# KiCad board meepolab pcb.kicad_pcb
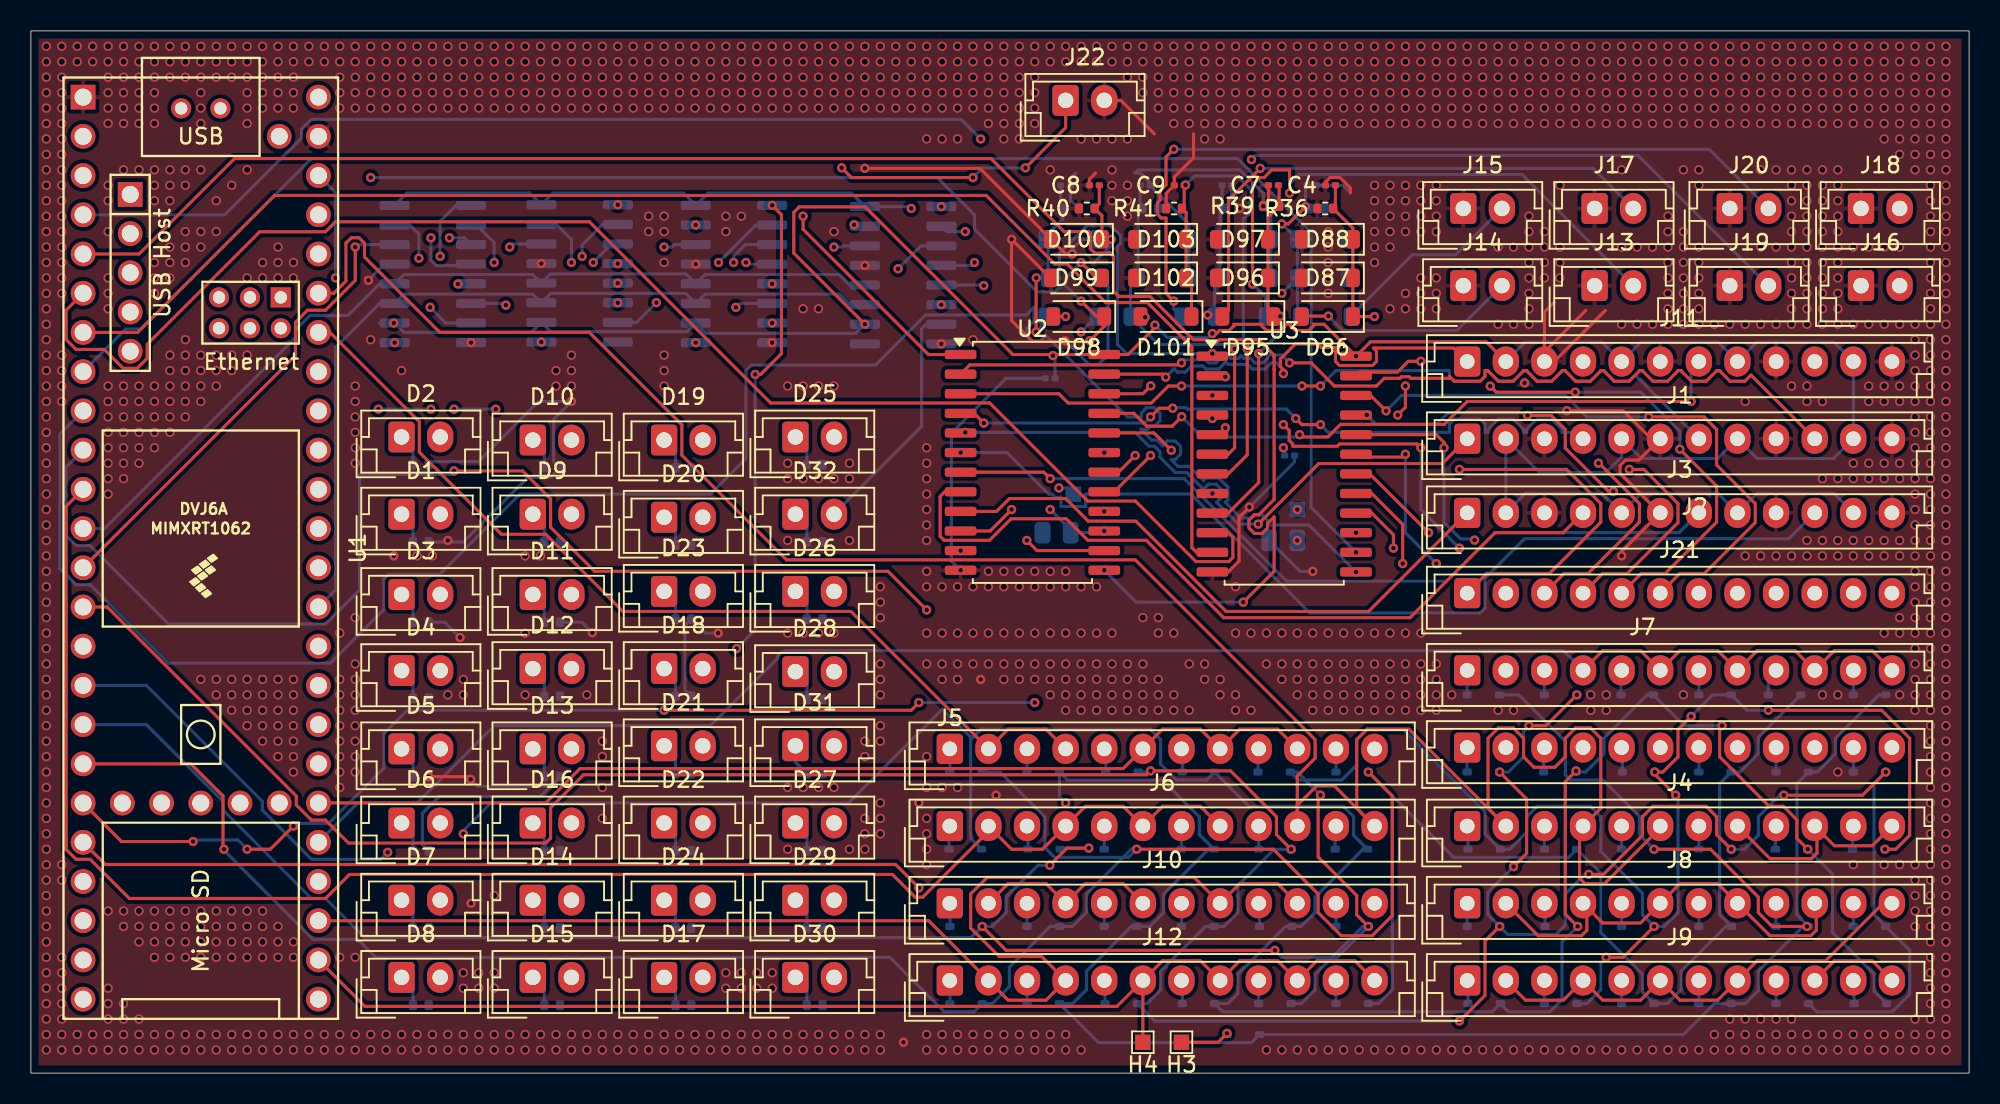
[diagram p0: board, top side]
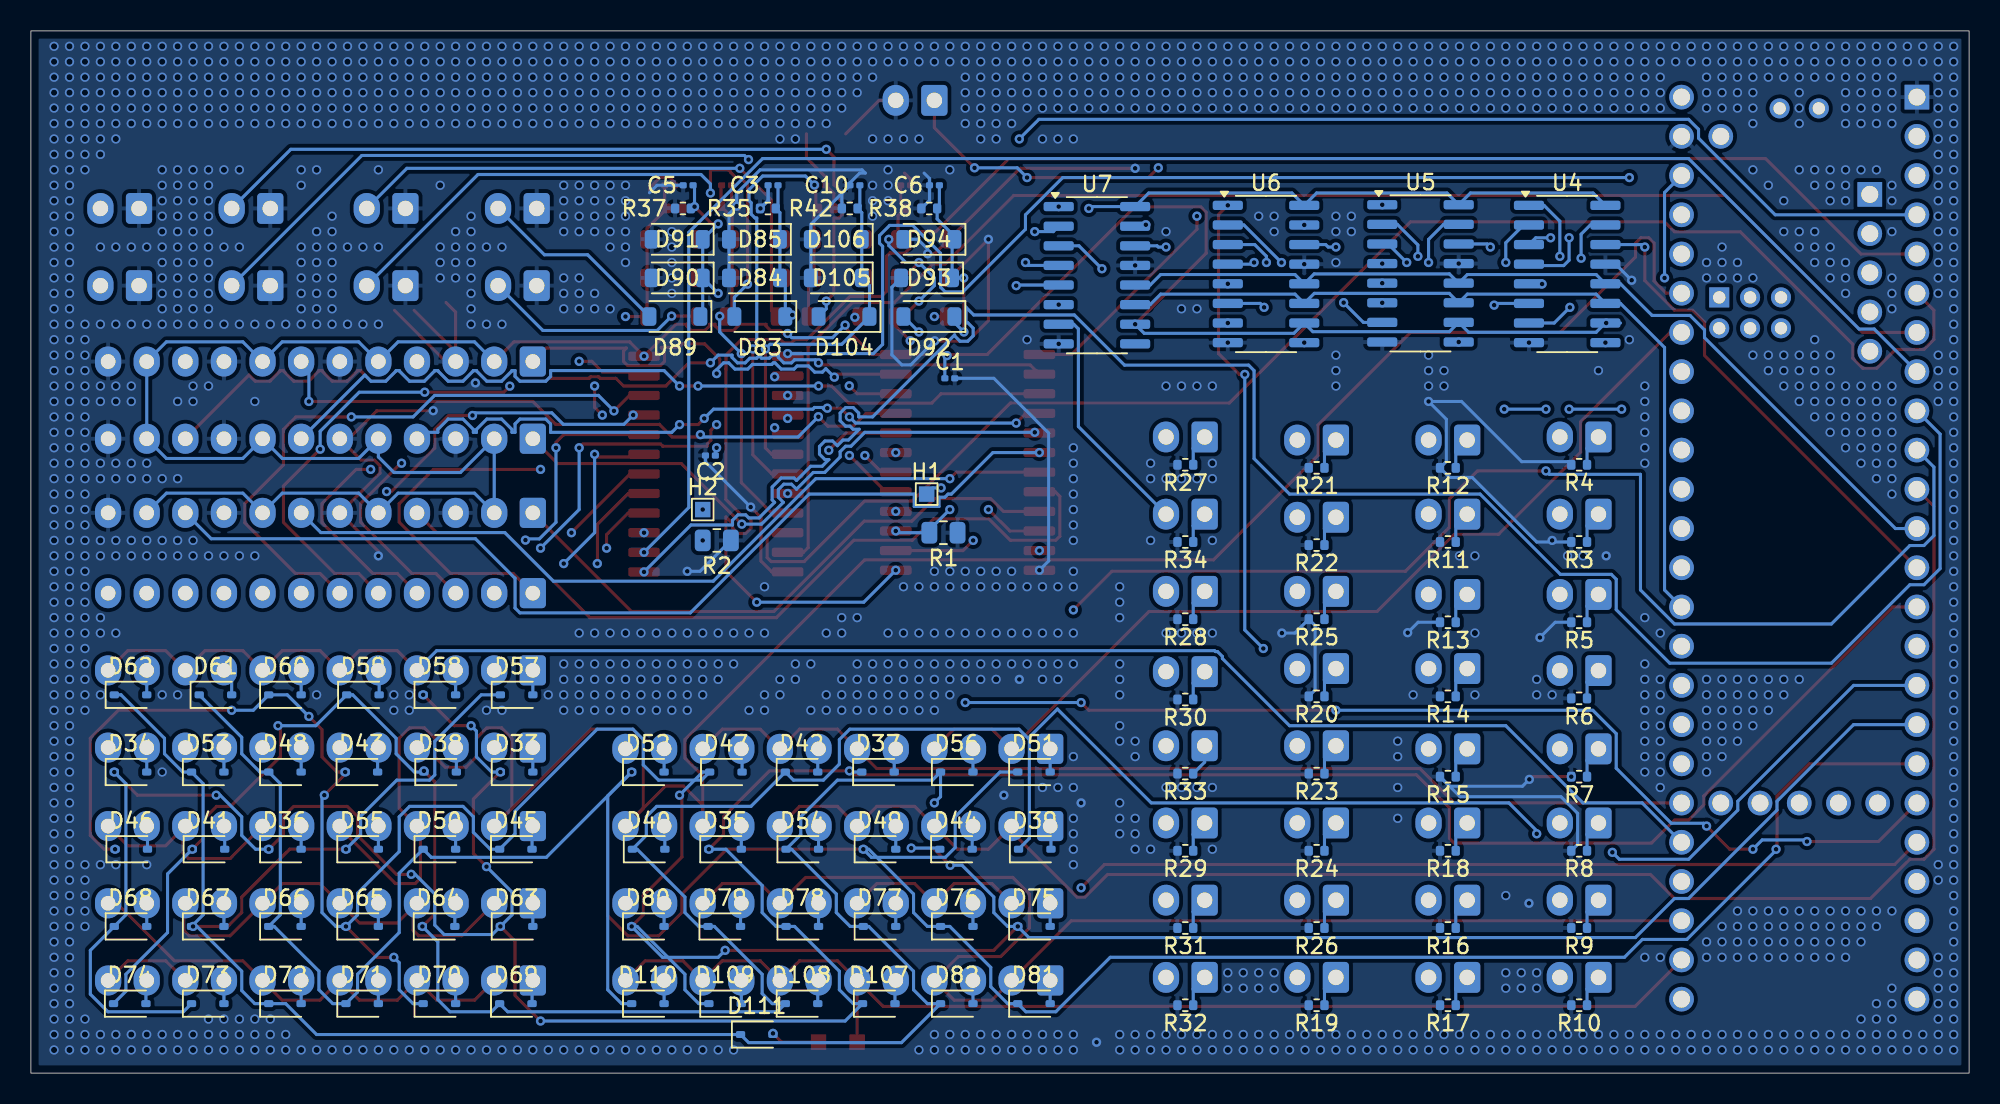
[diagram p1: board, bottom side, seen from below]

Outline 125.5 x 67.5 mm; copper layers: Top, In1.Cu, In2.Cu, Bottom. Coordinates in mm from the lower left corner of the outline.
Outline path: rectangle 0,67.5 125.5,0
Stack: Top 0.035mm / dielectric 0.1mm FR4 er 4.5 / In1.Cu 0.035mm / dielectric 1.24mm FR4 er 4.5 / In2.Cu 0.035mm / dielectric 0.1mm FR4 er 4.5 / Bottom 0.035mm

## Placement (name value [footprint] x y rotation side)
C1  0.1uf  [C_0201_0603Metric]  66 45 180 bottom
C2  0.1uf  [C_0201_0603Metric]  81.5 40 0 bottom
C3  4.7nF  [C_0201_0603Metric]  77.44 57.5 0 bottom
C4  4.7nF  [C_0201_0603Metric]  84.15 57.5 180 top
C5  4.7nF  [C_0201_0603Metric]  82.94 57.5 0 bottom
C6  4.7nF  [C_0201_0603Metric]  67 57.5 0 bottom
C7  4.7nF  [C_0201_0603Metric]  80.46 57.5 180 top
C8  4.7nF  [C_0201_0603Metric]  68.86 57.5 180 top
C9  4.7nF  [C_0201_0603Metric]  74.35 57.5 180 top
C10  4.7nF  [C_0201_0603Metric]  72.15 57.5 0 bottom
D1  LED  [JST_EH_B2B-EH-A_1x02_P2.50mm_Vertical]  24 36.2 0 top
D2  LED  [JST_EH_B2B-EH-A_1x02_P2.50mm_Vertical]  24 41.2 0 top
D3  LED  [JST_EH_B2B-EH-A_1x02_P2.50mm_Vertical]  24 31 0 top
D4  LED  [JST_EH_B2B-EH-A_1x02_P2.50mm_Vertical]  24 26.07 0 top
D5  LED  [JST_EH_B2B-EH-A_1x02_P2.50mm_Vertical]  24 21 0 top
D6  LED  [JST_EH_B2B-EH-A_1x02_P2.50mm_Vertical]  24 16.2 0 top
D7  LED  [JST_EH_B2B-EH-A_1x02_P2.50mm_Vertical]  24 11.2 0 top
D8  LED  [JST_EH_B2B-EH-A_1x02_P2.50mm_Vertical]  24 6.2 0 top
D9  LED  [JST_EH_B2B-EH-A_1x02_P2.50mm_Vertical]  32.5 36.2 0 top
D10  LED  [JST_EH_B2B-EH-A_1x02_P2.50mm_Vertical]  32.5 41 0 top
D11  LED  [JST_EH_B2B-EH-A_1x02_P2.50mm_Vertical]  32.5 31 0 top
D12  LED  [JST_EH_B2B-EH-A_1x02_P2.50mm_Vertical]  32.5 26.2 0 top
D13  LED  [JST_EH_B2B-EH-A_1x02_P2.50mm_Vertical]  32.5 21 0 top
D14  LED  [JST_EH_B2B-EH-A_1x02_P2.50mm_Vertical]  32.5 11.2 0 top
D15  LED  [JST_EH_B2B-EH-A_1x02_P2.50mm_Vertical]  32.5 6.2 0 top
D16  LED  [JST_EH_B2B-EH-A_1x02_P2.50mm_Vertical]  32.5 16.2 0 top
D17  LED  [JST_EH_B2B-EH-A_1x02_P2.50mm_Vertical]  41 6.2 0 top
D18  LED  [JST_EH_B2B-EH-A_1x02_P2.50mm_Vertical]  41 26.2 0 top
D19  LED  [JST_EH_B2B-EH-A_1x02_P2.50mm_Vertical]  41 41 0 top
D20  LED  [JST_EH_B2B-EH-A_1x02_P2.50mm_Vertical]  41 36 0 top
D21  LED  [JST_EH_B2B-EH-A_1x02_P2.50mm_Vertical]  41 21.2 0 top
D22  LED  [JST_EH_B2B-EH-A_1x02_P2.50mm_Vertical]  41 16.2 0 top
D23  LED  [JST_EH_B2B-EH-A_1x02_P2.50mm_Vertical]  41 31.2 0 top
D24  LED  [JST_EH_B2B-EH-A_1x02_P2.50mm_Vertical]  41 11.2 0 top
D25  LED  [JST_EH_B2B-EH-A_1x02_P2.50mm_Vertical]  49.5 41.2 0 top
D26  LED  [JST_EH_B2B-EH-A_1x02_P2.50mm_Vertical]  49.5 31.2 0 top
D27  LED  [JST_EH_B2B-EH-A_1x02_P2.50mm_Vertical]  49.5 16.2 0 top
D28  LED  [JST_EH_B2B-EH-A_1x02_P2.50mm_Vertical]  49.5 26 0 top
D29  LED  [JST_EH_B2B-EH-A_1x02_P2.50mm_Vertical]  49.5 11.2 0 top
D30  LED  [JST_EH_B2B-EH-A_1x02_P2.50mm_Vertical]  49.5 6.2 0 top
D31  LED  [JST_EH_B2B-EH-A_1x02_P2.50mm_Vertical]  49.5 21.2 0 top
D32  LED  [JST_EH_B2B-EH-A_1x02_P2.50mm_Vertical]  49.5 36.2 0 top
D33  D  [D_SOD-323]  94.05 19.5 180 bottom
D34  D  [D_SOD-323]  119.05 19.5 180 bottom
D35  D  [D_SOD-323]  80.55 14.5 180 bottom
D36  D  [D_SOD-323]  109.05 14.5 180 bottom
D37  D  [D_SOD-323]  70.65 19.5 180 bottom
D38  D  [D_SOD-323]  99 19.5 180 bottom
D39  D  [D_SOD-323]  60.5 14.5 180 bottom
D40  D  [D_SOD-323]  85.5 14.5 180 bottom
D41  D  [D_SOD-323]  114 14.5 180 bottom
D42  D  [D_SOD-323]  75.6 19.5 180 bottom
D43  D  [D_SOD-323]  104.1 19.5 180 bottom
D44  D  [D_SOD-323]  65.6 14.5 180 bottom
D45  D  [D_SOD-323]  94.1 14.5 180 bottom
D46  D  [D_SOD-323]  119 14.5 180 bottom
D47  D  [D_SOD-323]  80.5 19.5 180 bottom
D48  D  [D_SOD-323]  109.05 19.5 180 bottom
D49  D  [D_SOD-323]  70.55 14.5 180 bottom
D50  D  [D_SOD-323]  99.05 14.5 180 bottom
D51  D  [D_SOD-323]  60.55 19.5 180 bottom
D52  D  [D_SOD-323]  85.55 19.5 180 bottom
D53  D  [D_SOD-323]  114.05 19.5 180 bottom
D54  D  [D_SOD-323]  75.55 14.5 180 bottom
D55  D  [D_SOD-323]  104.05 14.5 180 bottom
D56  D  [D_SOD-323]  65.55 19.5 180 bottom
D57  D  [D_SOD-323]  94.05 24.5 180 bottom
D58  D  [D_SOD-323]  99.05 24.5 180 bottom
D59  D  [D_SOD-323]  104 24.5 180 bottom
D60  D  [D_SOD-323]  109.05 24.5 180 bottom
D61  D  [D_SOD-323]  113.55 24.5 180 bottom
D62  D  [D_SOD-323]  119.05 24.5 180 bottom
D63  D  [D_SOD-323]  94.05 9.5 180 bottom
D64  D  [D_SOD-323]  99.1 9.5 180 bottom
D65  D  [D_SOD-323]  104.05 9.5 180 bottom
D66  D  [D_SOD-323]  109.05 9.5 180 bottom
D67  D  [D_SOD-323]  114.05 9.5 180 bottom
D68  D  [D_SOD-323]  119.05 9.5 180 bottom
D69  D  [D_SOD-323]  94.1 4.5 180 bottom
D70  D  [D_SOD-323]  99.05 4.5 180 bottom
D71  D  [D_SOD-323]  104.05 4.5 180 bottom
D72  D  [D_SOD-323]  109.05 4.5 180 bottom
D73  D  [D_SOD-323]  114.05 4.5 180 bottom
D74  D  [D_SOD-323]  119.1 4.5 180 bottom
D75  D  [D_SOD-323]  60.55 9.5 180 bottom
D76  D  [D_SOD-323]  65.55 9.5 180 bottom
D77  D  [D_SOD-323]  70.55 9.5 180 bottom
D78  D  [D_SOD-323]  75.55 9.5 180 bottom
D79  D  [D_SOD-323]  80.6 9.5 180 bottom
D80  D  [D_SOD-323]  85.55 9.5 180 bottom
D81  D  [D_SOD-323]  60.55 4.5 180 bottom
D82  D  [D_SOD-323]  65.55 4.5 180 bottom
D83  D  [D_SOD-123]  78.3 49 0 bottom
D84  D  [D_SOD-123]  78.65 51.5 0 bottom
D85  BZV55B3V3  [D_SOD-123]  78.65 54 0 bottom
D86  D  [D_SOD-123]  83.95 49 180 top
D87  D  [D_SOD-123]  83.95 51.5 180 top
D88  BZV55B3V3  [D_SOD-123]  83.95 54 180 top
D89  D  [D_SOD-123]  83.8 49 0 bottom
D90  D  [D_SOD-123]  83.65 51.5 0 bottom
D91  BZV55B3V3  [D_SOD-123]  83.65 54 0 bottom
D92  D  [D_SOD-123]  67.35 49 0 bottom
D93  D  [D_SOD-123]  67.5 51.5 0 bottom
D94  BZV55B3V3  [D_SOD-123]  67.35 54 0 bottom
D95  D  [D_SOD-123]  78.8 49 180 top
D96  D  [D_SOD-123]  78.45 51.5 180 top
D97  BZV55B3V3  [D_SOD-123]  78.45 54 180 top
D98  D  [D_SOD-123]  67.85 49 180 top
D99  D  [D_SOD-123]  67.7 51.5 180 top
D100  BZV55B3V3  [D_SOD-123]  67.7 54 180 top
D101  D  [D_SOD-123]  73.5 49 180 top
D102  D  [D_SOD-123]  73.15 51.5 180 top
D103  BZV55B3V3  [D_SOD-123]  73.15 54 180 top
D104  D  [D_SOD-123]  72.85 49 0 bottom
D105  D  [D_SOD-123]  73.35 51.5 0 bottom
D106  BZV55B3V3  [D_SOD-123]  73.35 54 0 bottom
D107  D  [D_SOD-323]  70.6 4.5 180 bottom
D108  D  [D_SOD-323]  75.6 4.5 180 bottom
D109  D  [D_SOD-323]  80.55 4.5 180 bottom
D110  D  [D_SOD-323]  85.55 4.5 180 bottom
D111  D  [D_SOD-323]  78.5 2.5 180 bottom
H1  MountingHole_Pad  [TestPoint_Pad_1.0x1.0mm]  67.5 37.5 180 bottom
H2  MountingHole_Pad  [TestPoint_Pad_1.0x1.0mm]  82 36.5 180 bottom
H3  MountingHole_Pad  [TestPoint_Pad_1.0x1.0mm]  74.5 2 180 top
H4  MountingHole_Pad  [TestPoint_Pad_1.0x1.0mm]  72 2 180 top
J1  Conn_01x12_Socket  [JST_EH_B12B-EH-A_1x12_P2.50mm_Vertical]  93 41.09 0 top
J2  Conn_01x12_Socket  [JST_EH_B12B-EH-A_1x12_P2.50mm_Vertical]  93 21.08 0 top
J3  Conn_01x12_Socket  [JST_EH_B12B-EH-A_1x12_P2.50mm_Vertical]  93 36.28 0 top
J4  Conn_01x12_Socket  [JST_EH_B12B-EH-A_1x12_P2.50mm_Vertical]  93 16 0 top
J5  Conn_01x12_Socket  [JST_EH_B12B-EH-A_1x12_P2.50mm_Vertical]  59.5 21 0 top
J6  Conn_01x12_Socket  [JST_EH_B12B-EH-A_1x12_P2.50mm_Vertical]  59.5 16 0 top
J7  Conn_01x12_Socket  [JST_EH_B12B-EH-A_1x12_P2.50mm_Vertical]  93 26.08 0 top
J8  Conn_01x12_Socket  [JST_EH_B12B-EH-A_1x12_P2.50mm_Vertical]  93 11 0 top
J9  Conn_01x12_Socket  [JST_EH_B12B-EH-A_1x12_P2.50mm_Vertical]  93 6 0 top
J10  Conn_01x12_Socket  [JST_EH_B12B-EH-A_1x12_P2.50mm_Vertical]  59.5 11 0 top
J11  Conn_01x12_Socket  [JST_EH_B12B-EH-A_1x12_P2.50mm_Vertical]  93 46.09 0 top
J12  Conn_01x12_Socket  [JST_EH_B12B-EH-A_1x12_P2.50mm_Vertical]  59.5 6 0 top
J13  Piezo socket  [JST_EH_B2B-EH-A_1x02_P2.50mm_Vertical]  101.25 51 0 top
J14  Piezo socket  [JST_EH_B2B-EH-A_1x02_P2.50mm_Vertical]  92.75 51 0 top
J15  Piezo socket  [JST_EH_B2B-EH-A_1x02_P2.50mm_Vertical]  92.75 56 0 top
J16  Piezo socket  [JST_EH_B2B-EH-A_1x02_P2.50mm_Vertical]  118.5 51 0 top
J17  Piezo socket  [JST_EH_B2B-EH-A_1x02_P2.50mm_Vertical]  101.25 56 0 top
J18  Piezo socket  [JST_EH_B2B-EH-A_1x02_P2.50mm_Vertical]  118.5 56 0 top
J19  Piezo socket  [JST_EH_B2B-EH-A_1x02_P2.50mm_Vertical]  110 51 0 top
J20  Piezo socket  [JST_EH_B2B-EH-A_1x02_P2.50mm_Vertical]  110 56 0 top
J21  Conn_01x12_Socket  [JST_EH_B12B-EH-A_1x12_P2.50mm_Vertical]  93 31.08 0 top
J22  Conn_01x02_Socket  [JST_EH_B2B-EH-A_1x02_P2.50mm_Vertical]  67 63 0 top
R1  10K  [R_0805_2012Metric]  66.41 35 0 bottom
R2  10K  [R_0805_2012Metric]  81.09 34.5 0 bottom
R3  R  [R_0402_1005Metric]  25.25 34.4 0 bottom
R4  R  [R_0402_1005Metric]  25.25 39.4 0 bottom
R5  R  [R_0402_1005Metric]  25.25 29.2 0 bottom
R6  R  [R_0402_1005Metric]  25.25 24.27 0 bottom
R7  R  [R_0402_1005Metric]  25.25 19.2 0 bottom
R8  R  [R_0402_1005Metric]  25.25 14.4 0 bottom
R9  R  [R_0402_1005Metric]  25.25 9.4 0 bottom
R10  R  [R_0402_1005Metric]  25.25 4.4 0 bottom
R11  R  [R_0402_1005Metric]  33.75 34.4 0 bottom
R12  R  [R_0402_1005Metric]  33.75 39.2 0 bottom
R13  R  [R_0402_1005Metric]  33.75 29.2 0 bottom
R14  R  [R_0402_1005Metric]  33.75 24.4 0 bottom
R15  R  [R_0402_1005Metric]  33.75 19.2 0 bottom
R16  R  [R_0402_1005Metric]  33.75 9.4 0 bottom
R17  R  [R_0402_1005Metric]  33.75 4.4 0 bottom
R18  R  [R_0402_1005Metric]  33.75 14.4 0 bottom
R19  R  [R_0402_1005Metric]  42.25 4.4 0 bottom
R20  R  [R_0402_1005Metric]  42.25 24.4 0 bottom
R21  R  [R_0402_1005Metric]  42.25 39.2 0 bottom
R22  R  [R_0402_1005Metric]  42.25 34.2 0 bottom
R23  R  [R_0402_1005Metric]  42.25 19.4 0 bottom
R24  R  [R_0402_1005Metric]  42.25 14.4 0 bottom
R25  R  [R_0402_1005Metric]  42.25 29.4 0 bottom
R26  R  [R_0402_1005Metric]  42.25 9.4 0 bottom
R27  R  [R_0402_1005Metric]  50.75 39.4 0 bottom
R28  R  [R_0402_1005Metric]  50.75 29.4 0 bottom
R29  R  [R_0402_1005Metric]  50.75 14.4 0 bottom
R30  R  [R_0402_1005Metric]  50.75 24.2 0 bottom
R31  R  [R_0402_1005Metric]  50.75 9.4 0 bottom
R32  R  [R_0402_1005Metric]  50.75 4.4 0 bottom
R33  R  [R_0402_1005Metric]  50.75 19.4 0 bottom
R34  R  [R_0402_1005Metric]  50.75 34.4 0 bottom
R35  1M  [R_0402_1005Metric]  77.78 56 0 bottom
R36  1M  [R_0402_1005Metric]  83.81 56 180 top
R37  1M  [R_0402_1005Metric]  83.28 56 0 bottom
R38  1M  [R_0402_1005Metric]  67.33 56 0 bottom
R39  1M  [R_0402_1005Metric]  80.31 56.15 180 top
R40  1M  [R_0402_1005Metric]  68.37 56 180 top
R41  1M  [R_0402_1005Metric]  74.02 56 180 top
R42  1M  [R_0402_1005Metric]  72.48 56 0 bottom
U1  Teensy4.1  [Teensy41]  11 34 270 top
U2  CD74HC4067M  [SOIC-24W_7.5x15.4mm_P1.27mm]  64.85 39.55 0 top
U3  CD74HC4067M  [SOIC-24W_7.5x15.4mm_P1.27mm]  81.15 39.45 0 top
U4  74HC595  [SOIC-16_3.9x9.9mm_P1.27mm]  26.03 51.76 180 bottom
U5  74HC595  [SOIC-16_3.9x9.9mm_P1.27mm]  35.53 51.8 180 bottom
U6  74HC595  [SOIC-16_3.9x9.9mm_P1.27mm]  45.53 51.76 180 bottom
U7  74HC595  [SOIC-16_3.9x9.9mm_P1.27mm]  56.47 51.67 180 bottom

## Library data of the parts
C1-C10 = -: Description: Unpolarized capacitor; ki_fp_filters: C_*
D1-D32 = -: Description: Light emitting diode; Sim.Pins: 1=K 2=A; ki_fp_filters: LED* LED_SMD:* LED_THT:*
D33-D84 D86 D87 D89 D90 D92 D93 D95 D96 D98 D99 D101 D102 D104 D105 D107-D111 = -: Description: Diode; Sim.Pins: 1=K 2=A; ki_fp_filters: TO-???* *_Diode_* *SingleDiode* D_*
D85 D88 D91 D94 D97 D100 D103 D106 = -: Datasheet: https://assets.nexperia.com/documents/data-sheet/BZV55_SER.pdf; Description: 3.3V, 500mW, 2%, Zener diode, MiniMELF; ki_fp_filters: D*MiniMELF*
H1-H4 = -: Description: Mounting Hole with connection; ki_fp_filters: MountingHole*Pad*
J1-J12 J21 = -: Description: Generic connector, single row, 01x12, script generated; ki_fp_filters: Connector*:*_1x??_*
J13-J20 J22 = -: Description: Generic connector, single row, 01x02, script generated; ki_fp_filters: Connector*:*_1x??_*
R1-R42 = -: Description: Resistor; ki_fp_filters: R_*
U2 U3 = -: Datasheet: http://www.ti.com/lit/ds/symlink/cd74hc4067.pdf; Description: High-Speed CMOS Logic 16-Channel Analog Multiplexer/Demultiplexer, SOIC-24; ki_fp_filters: SOIC*W*7.5x15.4mm*P1.27mm*
U4-U7 = -: Datasheet: http://www.ti.com/lit/ds/symlink/sn74hc595.pdf; Description: 8-bit serial in/out Shift Register 3-State Outputs; ki_fp_filters: DIP*W7.62mm* SOIC*3.9x9.9mm*P1.27mm* TSSOP*4.4x5mm*P0.65mm* SOIC*5.3x10.2mm*P1.27mm* SOIC*7.5x10.3mm*P1.27mm*

## Footprints (pads in the part's own frame, mm; a bottom-side part is the same pattern mirrored in y, then rotated)
C_0201_0603Metric
  rrect 0.318x0.36 smd: (-0.345,0) (0.345,0)
  rrect 0.46x0.4 smd: 1(-0.32,0) 2(0.32,0)
D_SOD-123
  rrect 0.9x1.2 smd: 1(-1.65,0) 2(1.65,0)
D_SOD-323
  rrect 0.6x0.45 smd: 1(-1.05,0) 2(1.05,0)
JST_EH_B2B-EH-A_1x02_P2.50mm_Vertical
  rrect 1.7x2 hole 1: 1(0,0)
  oval 1.7x2 hole 1: 2(2.5,0)
JST_EH_B12B-EH-A_1x12_P2.50mm_Vertical
  rrect 1.7x1.95 hole 0.95: 1(0,0)
  oval 1.7x1.95 hole 0.95: 2(2.5,0) 3(5,0) 4(7.5,0) 5(10,0) 6(12.5,0) 7(15,0) 8(17.5,0) 9(20,0) 10(22.5,0) 11(25,0) 12(27.5,0)
R_0402_1005Metric
  rrect 0.54x0.64 smd: 1(-0.51,0) 2(0.51,0)
R_0805_2012Metric
  rrect 1.025x1.4 smd: 1(-0.912,0) 2(0.912,0)
SOIC-16_3.9x9.9mm_P1.27mm
  rrect 1.95x0.6 smd: 1(-2.475,4.445) 2(-2.475,3.175) 3(-2.475,1.905) 4(-2.475,0.635) 5(-2.475,-0.635) 6(-2.475,-1.905) 7(-2.475,-3.175) 8(-2.475,-4.445) 9(2.475,-4.445) 10(2.475,-3.175) 11(2.475,-1.905) 12(2.475,-0.635) 13(2.475,0.635) 14(2.475,1.905) 15(2.475,3.175) 16(2.475,4.445)
SOIC-24W_7.5x15.4mm_P1.27mm
  rrect 2.05x0.6 smd: 1(-4.65,6.985) 2(-4.65,5.715) 3(-4.65,4.445) 4(-4.65,3.175) 5(-4.65,1.905) 6(-4.65,0.635) 7(-4.65,-0.635) 8(-4.65,-1.905) 9(-4.65,-3.175) 10(-4.65,-4.445) 11(-4.65,-5.715) 12(-4.65,-6.985) 13(4.65,-6.985) 14(4.65,-5.715) 15(4.65,-4.445) 16(4.65,-3.175) 17(4.65,-1.905) 18(4.65,-0.635) 19(4.65,0.635) 20(4.65,1.905) 21(4.65,3.175) 22(4.65,4.445) 23(4.65,5.715) 24(4.65,6.985)
Teensy41
  rect 1.6x1.6 hole 1.1: 1(-29.21,-7.62) 55(-22.911,-4.569)
  round 1.6 hole 1.1: 2(-26.67,-7.62) 3(-24.13,-7.62) 4(-21.59,-7.62) 5(-19.05,-7.62) 6(-16.51,-7.62) 7(-13.97,-7.62) 8(-11.43,-7.62) 9(-8.89,-7.62) 10(-6.35,-7.62) 11(-3.81,-7.62) 12(-1.27,-7.62) 13(1.27,-7.62) 14(3.81,-7.62) 15(6.35,-7.62) 16(8.89,-7.62) 17(11.43,-7.62) 18(13.97,-7.62) 19(16.51,-7.62) 20(19.05,-7.62) 21(21.59,-7.62) 22(24.13,-7.62) 23(26.67,-7.62) 24(29.21,-7.62) 25(29.21,7.62) 26(26.67,7.62) 27(24.13,7.62) 28(21.59,7.62) 29(19.05,7.62) 30(16.51,7.62) 31(13.97,7.62) 32(11.43,7.62) 33(8.89,7.62) 34(6.35,7.62) 35(3.81,7.62) 36(1.27,7.62) 37(-1.27,7.62) 38(-3.81,7.62) 39(-6.35,7.62) 40(-8.89,7.62) 41(-11.43,7.62) 42(-13.97,7.62) 43(-16.51,7.62) 44(-19.05,7.62) 45(-21.59,7.62) 46(-24.13,7.62) 47(-26.67,7.62) 48(-29.21,7.62) 49(-26.67,5.08) 50(16.51,-5.08) 51(16.51,-2.54) 52(16.51,0) 53(16.51,2.54) 54(16.51,5.08) 56(-20.371,-4.569) 57(-17.831,-4.569) 58(-15.291,-4.569) 59(-12.751,-4.569)
  rect 1.3x1.3 hole 0.8: 60(-16.24,5.182)
  round 1.3 hole 0.8: 61(-16.24,3.182) 62(-16.24,1.182) 63(-14.24,1.182) 64(-14.24,3.182) 65(-14.24,5.182) 66(-28.48,1.27) 67(-28.48,-1.27)
TestPoint_Pad_1.0x1.0mm
  rect 1x1 smd: 1(0,0)

## Nets
+3V3: C1.1 C2.1 J1.2 J1.5 J1.8 J1.11 J3.2 J3.5 J3.8 J3.11 J11.2 J11.5 J11.8 J11.11 U1.46 U2.24 U3.24 U4.10 U5.10 U6.10 U7.10
GND: C1.2 C2.2 C3.2 C4.2 C5.2 C6.2 C7.2 C8.2 C9.2 C10.2 D84.2 D85.2 D87.2 D88.2 D90.2 D91.2 D93.2 D94.2 D96.2 D97.2 D99.2 D100.2 D102.2 D103.2 D105.2 D106.2 J1.3 J1.6 J1.9 J1.12 J3.3 J3.6 J3.9 J3.12 J11.3 J11.6 J11.9 J11.12 J13.1 J14.1 J15.1 J16.1 J17.1 J18.1 J19.1 J20.1 J22.2 R1.1 R2.1 R3.2 R4.2 R5.2 R6.2 R7.2 R8.2 R9.2 R10.2 R11.2 R12.2 R13.2 R14.2 R15.2 R16.2 R17.2 R18.2 R19.2 R20.2 R21.2 R22.2 R23.2 R24.2 R25.2 R26.2 R27.2 R28.2 R29.2 R30.2 R31.2 R32.2 R33.2 R34.2 R35.2 R36.2 R37.2 R38.2 R39.2 R40.2 R41.2 R42.2 U1.1 U1.47 U2.12 U3.12 U4.8 U4.13 U5.8 U5.13 U6.8 U6.13 U7.8 U7.13
A8: U1.44 U3.1
A9: U1.45 U2.1
Col0: J2.2 J2.4 J2.6 J2.8 J2.10 U1.10
Col1: J2.12 J6.2 J6.4 J6.6 J6.8 U1.11
Col2: J4.2 J4.4 J4.6 J6.10 J6.12 U1.43
Col3: J4.8 J4.10 J4.12 J5.2 J5.4 U1.42
Col4: J5.6 J5.8 J5.10 J5.12 J7.2 U1.30
Col5: J7.4 J7.6 J7.8 J7.10 J7.12 U1.29
Col6: J8.2 J8.4 J8.6 J8.8 J8.10 U1.20
Col7: J8.12 J9.2 J9.4 J9.6 J9.8 U1.21
Col8: J9.10 J9.12 J10.2 J10.4 J10.6 U1.22
Col9: J10.8 J10.10 J10.12 J12.2 J12.4 U1.27
Col10: H4.1 J12.6 J12.8 J12.10 J12.12 U1.26
Drum0: C3.1 D83.1 D84.1 D85.1 R35.1 U2.19
Drum1: C4.1 D86.1 D87.1 D88.1 R36.1 U2.18
Drum2: C5.1 D89.1 D90.1 D91.1 R37.1 U2.17
Drum3: C6.1 D92.1 D93.1 D94.1 R38.1 U2.16
Drum4: C7.1 D95.1 D96.1 D97.1 R39.1 U3.9
Drum5: C8.1 D98.1 D99.1 D100.1 R40.1 U3.8
Drum6: C9.1 D101.1 D102.1 D103.1 R41.1 U3.7
Drum7: C10.1 D104.1 D105.1 D106.1 R42.1 U3.6
External 3v3: J22.1 U4.16 U5.16 U6.16 U7.16
KeyBot1Gnd: D58.2 J7.3
KeyBot2Gnd: D59.2 J7.5
KeyBot3Gnd: D60.2 J7.7
KeyBot4Gnd: D61.2 J7.9
KeyBot5Gnd: D62.2 J7.11
KeyBot6Gnd: D63.2 J8.1
KeyBot7Gnd: D64.2 J8.3
KeyBot8Gnd: D65.2 J8.5
KeyBot9Gnd: D66.2 J8.7
KeyBot10Gnd: D67.2 J8.9
KeyBot11Gnd: D68.2 J8.11
KeyBot12Gnd: D69.2 J9.1
KeyBot13Gnd: D70.2 J9.3
KeyBot14Gnd: D71.2 J9.5
KeyBot15Gnd: D72.2 J9.7
KeyBot16Gnd: D73.2 J9.9
KeyBot17Gnd: D74.2 J9.11
KeyBot18Gnd: D75.2 J10.1
KeyBot19Gnd: D76.2 J10.3
KeyBot20Gnd: D77.2 J10.5
KeyBot21Gnd: D78.2 J10.7
KeyBot22Gnd: D79.2 J10.9
KeyBot23Gnd: D80.2 J10.11
KeyBot24Gnd: D81.2 J12.1
KeyBot25Gnd: D82.2 J12.3
KeyTop1Gnd: D33.2 J2.1
KeyTop2Gnd: D38.2 J2.3
KeyTop3Gnd: D43.2 J2.5
KeyTop4Gnd: D48.2 J2.7
KeyTop5Gnd: D53.2 J2.9
KeyTop6Gnd: D34.2 J2.11
KeyTop7Gnd: D39.2 J6.1
KeyTop8Gnd: D44.2 J6.3
KeyTop9Gnd: D49.2 J6.5
KeyTop10Gnd: D54.2 J6.7
KeyTop11Gnd: D35.2 J6.9
KeyTop12Gnd: D40.2 J6.11
KeyTop13Gnd: D45.2 J4.1
KeyTop14Gnd: D50.2 J4.3
KeyTop15Gnd: D55.2 J4.5
KeyTop16Gnd: D36.2 J4.7
KeyTop17Gnd: D41.2 J4.9
KeyTop18Gnd: D46.2 J4.11
KeyTop19Gnd: D51.2 J5.1
KeyTop20Gnd: D56.2 J5.3
KeyTop21Gnd: D37.2 J5.5
KeyTop22Gnd: D42.2 J5.7
KeyTop23Gnd: D47.2 J5.9
KeyTop24Gnd: D52.2 J5.11
KeyTop25Gnd: D57.2 J7.1
OctDwnGnd: D109.2 J12.9
OctUpGnd: D108.2 J12.7
PlayPauseGnd: D111.2 H3.1
Pot0: J3.1 U2.9
Pot1: J3.4 U2.8
Pot2: J3.7 U2.7
Pot3: J3.10 U2.6
Pot4: J1.1 U2.5
Pot5: J1.4 U2.4
Pot6: J1.7 U2.3
Pot7: J1.10 U2.2
RCLK: U1.12 U4.12 U5.12 U6.12 U7.12
RecGnd: D110.2 J12.11
Row0: D33.1 D34.1 D35.1 D36.1 D37.1 D58.1 D63.1 D68.1 D73.1 D78.1 D107.1 U1.14
Row1: D38.1 D39.1 D40.1 D41.1 D42.1 D59.1 D64.1 D69.1 D74.1 D79.1 D108.1 U1.16
Row2: D43.1 D44.1 D45.1 D46.1 D47.1 D60.1 D65.1 D70.1 D75.1 D80.1 D109.1 U1.17
Row3: D48.1 D49.1 D50.1 D51.1 D52.1 D61.1 D66.1 D71.1 D76.1 D81.1 D110.1 U1.18
Row4: D53.1 D54.1 D55.1 D56.1 D57.1 D62.1 D67.1 D72.1 D77.1 D82.1 D111.1 U1.19
S0_1: U1.2 U2.10
S0_2: U1.6 U3.10
S1_1: U1.3 U2.11
S1_2: U1.7 U3.11
S2_1: U1.4 U2.14
S2_2: U1.8 U3.14
S3_1: U1.5 U2.13
S3_3: U1.9 U3.13
SER: U1.13 U4.14
ShiftGnd: D107.2 J12.5
Slider0: J11.1 U2.23
Slider1: J11.4 U2.22
Slider2: J11.7 U2.21
Slider3: J11.10 U2.20
SRCLK: U1.35 U4.11 U5.11 U6.11 U7.11
Net-(D1-A): D1.2 U4.15
Net-(D1-K): D1.1 R3.1
Net-(D2-A): D2.2 U4.1
Net-(D2-K): D2.1 R4.1
Net-(D3-A): D3.2 U4.2
Net-(D3-K): D3.1 R5.1
Net-(D4-A): D4.2 U4.3
Net-(D4-K): D4.1 R6.1
Net-(D5-A): D5.2 U4.4
Net-(D5-K): D5.1 R7.1
Net-(D6-A): D6.2 U4.5
Net-(D6-K): D6.1 R8.1
Net-(D7-A): D7.2 U4.6
Net-(D7-K): D7.1 R9.1
Net-(D8-A): D8.2 U4.7
Net-(D8-K): D8.1 R10.1
Net-(D9-A): D9.2 U5.15
Net-(D9-K): D9.1 R11.1
Net-(D10-A): D10.2 U5.1
Net-(D10-K): D10.1 R12.1
Net-(D11-A): D11.2 U5.2
Net-(D11-K): D11.1 R13.1
Net-(D12-A): D12.2 U5.3
Net-(D12-K): D12.1 R14.1
Net-(D13-A): D13.2 U5.4
Net-(D13-K): D13.1 R15.1
Net-(D14-A): D14.2 U5.5
Net-(D14-K): D14.1 R16.1
Net-(D15-A): D15.2 U5.6
Net-(D15-K): D15.1 R17.1
Net-(D16-A): D16.2 U5.7
Net-(D16-K): D16.1 R18.1
Net-(D17-A): D17.2 U6.15
Net-(D17-K): D17.1 R19.1
Net-(D18-A): D18.2 U6.1
Net-(D18-K): D18.1 R20.1
Net-(D19-A): D19.2 U6.2
Net-(D19-K): D19.1 R21.1
Net-(D20-A): D20.2 U6.3
Net-(D20-K): D20.1 R22.1
Net-(D21-A): D21.2 U6.4
Net-(D21-K): D21.1 R23.1
Net-(D22-A): D22.2 U6.5
Net-(D22-K): D22.1 R24.1
Net-(D23-A): D23.2 U6.6
Net-(D23-K): D23.1 R25.1
Net-(D24-A): D24.2 U6.7
Net-(D24-K): D24.1 R26.1
Net-(D25-A): D25.2 U7.15
Net-(D25-K): D25.1 R27.1
Net-(D26-A): D26.2 U7.1
Net-(D26-K): D26.1 R28.1
Net-(D27-A): D27.2 U7.2
Net-(D27-K): D27.1 R29.1
Net-(D28-A): D28.2 U7.3
Net-(D28-K): D28.1 R30.1
Net-(D29-A): D29.2 U7.4
Net-(D29-K): D29.1 R31.1
Net-(D30-A): D30.2 U7.5
Net-(D30-K): D30.1 R32.1
Net-(D31-A): D31.2 U7.6
Net-(D31-K): D31.1 R33.1
Net-(D32-A): D32.2 U7.7
Net-(D32-K): D32.1 R34.1
Net-(D83-A): D83.2 J13.2
Net-(D86-A): D86.2 J14.2
Net-(D89-A): D89.2 J15.2
Net-(D92-A): D92.2 J16.2
Net-(D95-A): D95.2 J17.2
Net-(D98-A): D98.2 J18.2
Net-(D101-A): D101.2 J19.2
Net-(D104-A): D104.2 J20.2
Net-(J21-Pin_1): J21.1 U3.5
Net-(J21-Pin_2): J21.2 U3.4
Net-(J21-Pin_3): J21.3 U3.3
Net-(J21-Pin_4): J21.4 U3.2
Net-(J21-Pin_5): J21.5 U3.23
Net-(J21-Pin_6): J21.6 U3.22
Net-(J21-Pin_7): J21.7 U3.21
Net-(J21-Pin_8): J21.8 U3.20
Net-(J21-Pin_9): J21.9 U3.19
Net-(J21-Pin_10): J21.10 U3.18
Net-(J21-Pin_11): J21.11 U3.17
Net-(J21-Pin_12): J21.12 U3.16
Net-(U2-~{E}): H1.1 R1.2 U2.15
Net-(U3-~{E}): H2.1 R2.2 U3.15
Net-(U4-QH'): U4.9 U5.14
Net-(U5-QH'): U5.9 U6.14
Net-(U6-QH'): U6.9 U7.14

Pads without a net: U1 15 23 24 25 28 31 32 33 34 36 37 38 39 40 41 48 49 50 51 52 53 54 55 56 57 58 59 60 61 62 63 64 65 66 67; U7 9
